# KiCad board vootington V4N.kicad_pcb (continued)
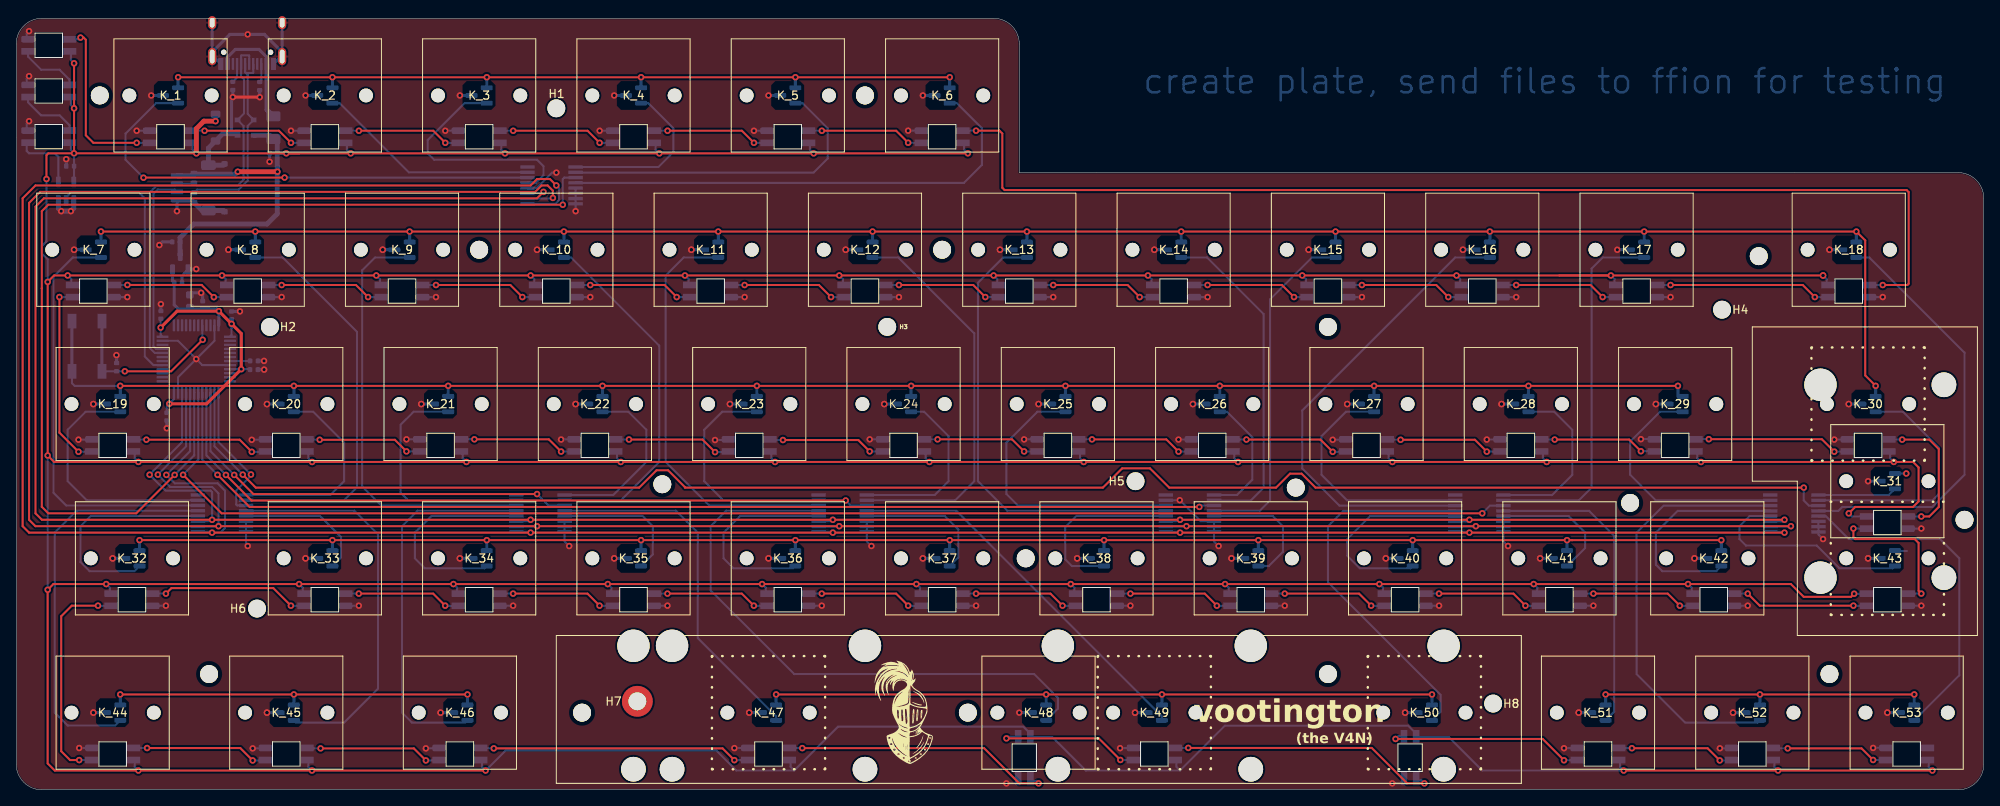
[diagram p0: board, top side]
## Routing (per net, layer and track width the routed paths; a pad name or vN(x,y) marks a point on that pad's centre or on a via; arc(x,y) is an arc through that point) (continued)
Net-(D30-DIN): length 16.6
  Top w0.25: v1(226.79,22.73) 215.23,22.73 v1(213.74,24.22)
  Bottom w0.25: 228.26,22.72 226.8,22.72 v1(226.79,22.73) ; v1(213.74,24.22) 213.74,24.22 212.27,24.22
Net-(D31-DOUT): length 18.7
  Top w0.25: v1(235.17,24.22) 234.84,24.56 234.84,30.48 234.36,30.96 227.01,30.96 226.79,31.18 v1(226.79,32.26)
  Bottom w0.25: 233.71,24.22 235.17,24.22 v1(235.17,24.22) ; 228.26,32.25 226.8,32.25 v1(226.79,32.26)
Net-(D32-DIN): length 19.5
  Top w0.25: v1(18.48,24.22) 19.16,24.9 31.74,24.9 v1(33.91,22.73)
  Bottom w0.25: 35.38,22.72 33.92,22.72 v1(33.91,22.73) ; 17.01,24.22 18.48,24.22 v1(18.48,24.22)
Net-(D32-DOUT): length 27.4
  Top w0.25: v1(7.77,3.67) 6.65,3.67 5.56,4.76 5.56,21.43 6.86,22.73 v1(10.1,22.73)
  Bottom w0.25: 11.56,22.72 10.11,22.72 v1(10.1,22.73) ; v1(7.77,3.67) 7.77,3.67 9.24,3.67
Net-(D33-DIN): length 14.2
  Top w0.25: v1(52.96,22.73) 51.47,24.22 v1(42.29,24.22)
  Bottom w0.25: 54.42,22.72 52.97,22.72 v1(52.96,22.73) ; v1(42.29,24.22) 42.29,24.22 40.83,24.22
Net-(D34-DIN): length 14.2
  Top w0.25: v1(72.01,22.73) 70.52,24.22 v1(61.34,24.22)
  Bottom w0.25: 73.48,22.72 72.02,22.72 v1(72.01,22.73) ; 59.88,24.22 61.34,24.22 v1(61.34,24.22)
Net-(D35-DIN): length 14.2
  Top w0.25: v1(80.39,24.22) 89.57,24.22 v1(91.06,22.73)
  Bottom w0.25: v1(80.39,24.22) 80.39,24.22 78.92,24.22 ; v1(91.06,22.73) 91.07,22.72 92.53,22.72
Net-(D36-DIN): length 14.2
  Top w0.25: v1(99.44,24.22) 108.62,24.22 v1(110.11,22.73)
  Bottom w0.25: 97.98,24.22 99.44,24.22 v1(99.44,24.22) ; v1(110.11,22.73) 110.12,22.72 111.58,22.72
Net-(D38-DIN): length 33.6
  Top w0.25: v1(126.21,0.79) 123.83,0.79 119.47,5.15 v1(97.04,5.15)
  Bottom w0.25: v1(126.21,0.79) 125.89,1.11 125.23,1.11 ; 95.57,5.16 97.03,5.16 v1(97.04,5.15)
Net-(D38-DOUT): length 18.2
  Top w0.25: v1(136.3,3.68) 133.64,6.35 v1(122.24,6.35)
  Bottom w0.25: 123.73,6.56 122.44,6.56 v1(122.24,6.35) ; v1(136.3,3.68) 136.31,3.67 137.77,3.67
Net-(D39-DIN): length 33.2
  Top w0.25: v1(58.95,5.11) 87.2,5.11 v1(88.66,3.66)
  Bottom w0.25: v1(58.95,5.11) 58.94,5.13 57.49,5.13 ; 90.12,3.66 v1(88.66,3.66)
Net-(D40-DIN): length 16.5
  Top w0.25: v1(50.57,3.63) 49.09,5.11 v1(37.57,5.11)
  Bottom w0.25: v1(50.57,3.63) 50.57,3.63 52.04,3.63 ; v1(37.57,5.11) 37.56,5.12 36.11,5.12
Net-(D41-DIN): length 16.6
  Top w0.25: v1(29.19,3.63) 27.66,5.16 v1(16.16,5.16)
  Bottom w0.25: v1(16.16,5.16) 16.14,5.17 14.69,5.17 ; v1(29.19,3.63) 29.19,3.62 30.66,3.62
Net-(D43-DIN): length 14.2
  Top w0.25: v1(91.07,79.88) 89.58,81.37 v1(80.4,81.37)
  Bottom w0.25: v1(80.4,81.37) 80.39,81.38 78.94,81.38 ; 92.54,79.88 v1(91.07,79.88)
Net-(D45-DIN): length 14.1
  Top w0.25: v1(229.22,3.68) 227.79,5.11 v1(218.68,5.11)
  Bottom w0.25: v1(218.68,5.11) 218.66,5.13 217.21,5.13 ; 230.69,3.68 v1(229.22,3.68)
Net-(D46-DIN): length 14.4
  Top w0.25: v1(210.29,3.63) 208.79,5.13 v1(199.45,5.13)
  Bottom w0.25: v1(210.29,3.63) 210.29,3.63 211.76,3.63 ; 197.98,5.14 199.43,5.14 v1(199.45,5.13)
Net-(D47-DIN): length 24.6
  Top w0.25: v1(170.27,6.28) 188.43,6.28 v1(191.06,3.65)
  Bottom w0.25: 171.34,6.61 170.61,6.61 v1(170.27,6.28) ; v1(191.06,3.65) 191.06,3.64 192.53,3.64
Net-(D48-DIN): length 33.6
  Top w0.25: v1(173.83,0.79) 171.71,0.79 167.33,5.17 v1(144.68,5.17)
  Bottom w0.25: v1(173.83,0.79) 173.46,1.16 172.84,1.16 ; 143.22,5.17 v1(144.68,5.17)
Net-(D50-DIN): length 14.2
  Top w0.25: v1(72.02,79.88) 70.53,81.37 v1(61.35,81.37)
  Bottom w0.25: v1(61.35,81.37) 61.34,81.38 59.89,81.38 ; 73.49,79.88 v1(72.02,79.88)
Net-(D51-DIN): length 14.2
  Top w0.25: v1(42.3,81.37) 51.48,81.37 v1(52.97,79.88)
  Bottom w0.25: 54.44,79.88 v1(52.97,79.88) ; v1(42.3,81.37) 42.29,81.38 40.84,81.38
Net-(D52-DIN): length 14.2
  Top w0.25: v1(33.92,79.88) 32.43,81.37 v1(23.25,81.37)
  Bottom w0.25: 35.39,79.88 v1(33.92,79.88) ; v1(23.25,81.37) 23.24,81.38 21.79,81.38
Net-(D53-DIN): length 22
  Top w0.25: v1(14.87,79.88) 9.53,79.88 8.59,80.81 8.59,92.6 8.33,92.87 v1(7.94,92.87)
  Bottom w0.25: 6.75,92.66 7.73,92.66 v1(7.94,92.87) ; 16.34,79.88 v1(14.87,79.88)
Net-(D54-DOUT): length 7.6
  Bottom w0.25: D54.2 6.57,82.06 5.36,83.27 3.07,83.27 1.47,84.87 D55.4
Net-(D55-DOUT): length 7.6
  Bottom w0.25: D55.2 6.57,87.69 5.36,88.9 3.07,88.9 1.47,90.5 D56.4
Net-(J2-CC1): length 2.4
  Bottom w0.25: R3.2 27.26,87.95 J2.A5
Net-(J2-CC2): length 2.3
  Bottom w0.25: R4.2 30.26,87.61 J2.B5

## Copper pours and planes (outline as drawn; the poured copper is in the pictures)
+3V3 on Bottom: 250.45,102.61 -8.31,100.23 -4.34,-9.31 254.42,-6.93
+3V3 on Bottom: 18.2,62.1 19.85,62.1 19.84,65.09 18.19,65.09
GND on Top: 250.45,103.41 -8.31,101.02 -7.52,-9.31 251.24,-6.93

## Text on the board
Bottom: create plate, send files to ffion for testing
B.Silkscreen: (the V4N) | by Calvin0563 | vootington
F.Silkscreen: (the V4N) | vootington
